# KiCad board edc-mux-board-fpga-main.kicad_pcb (continued)
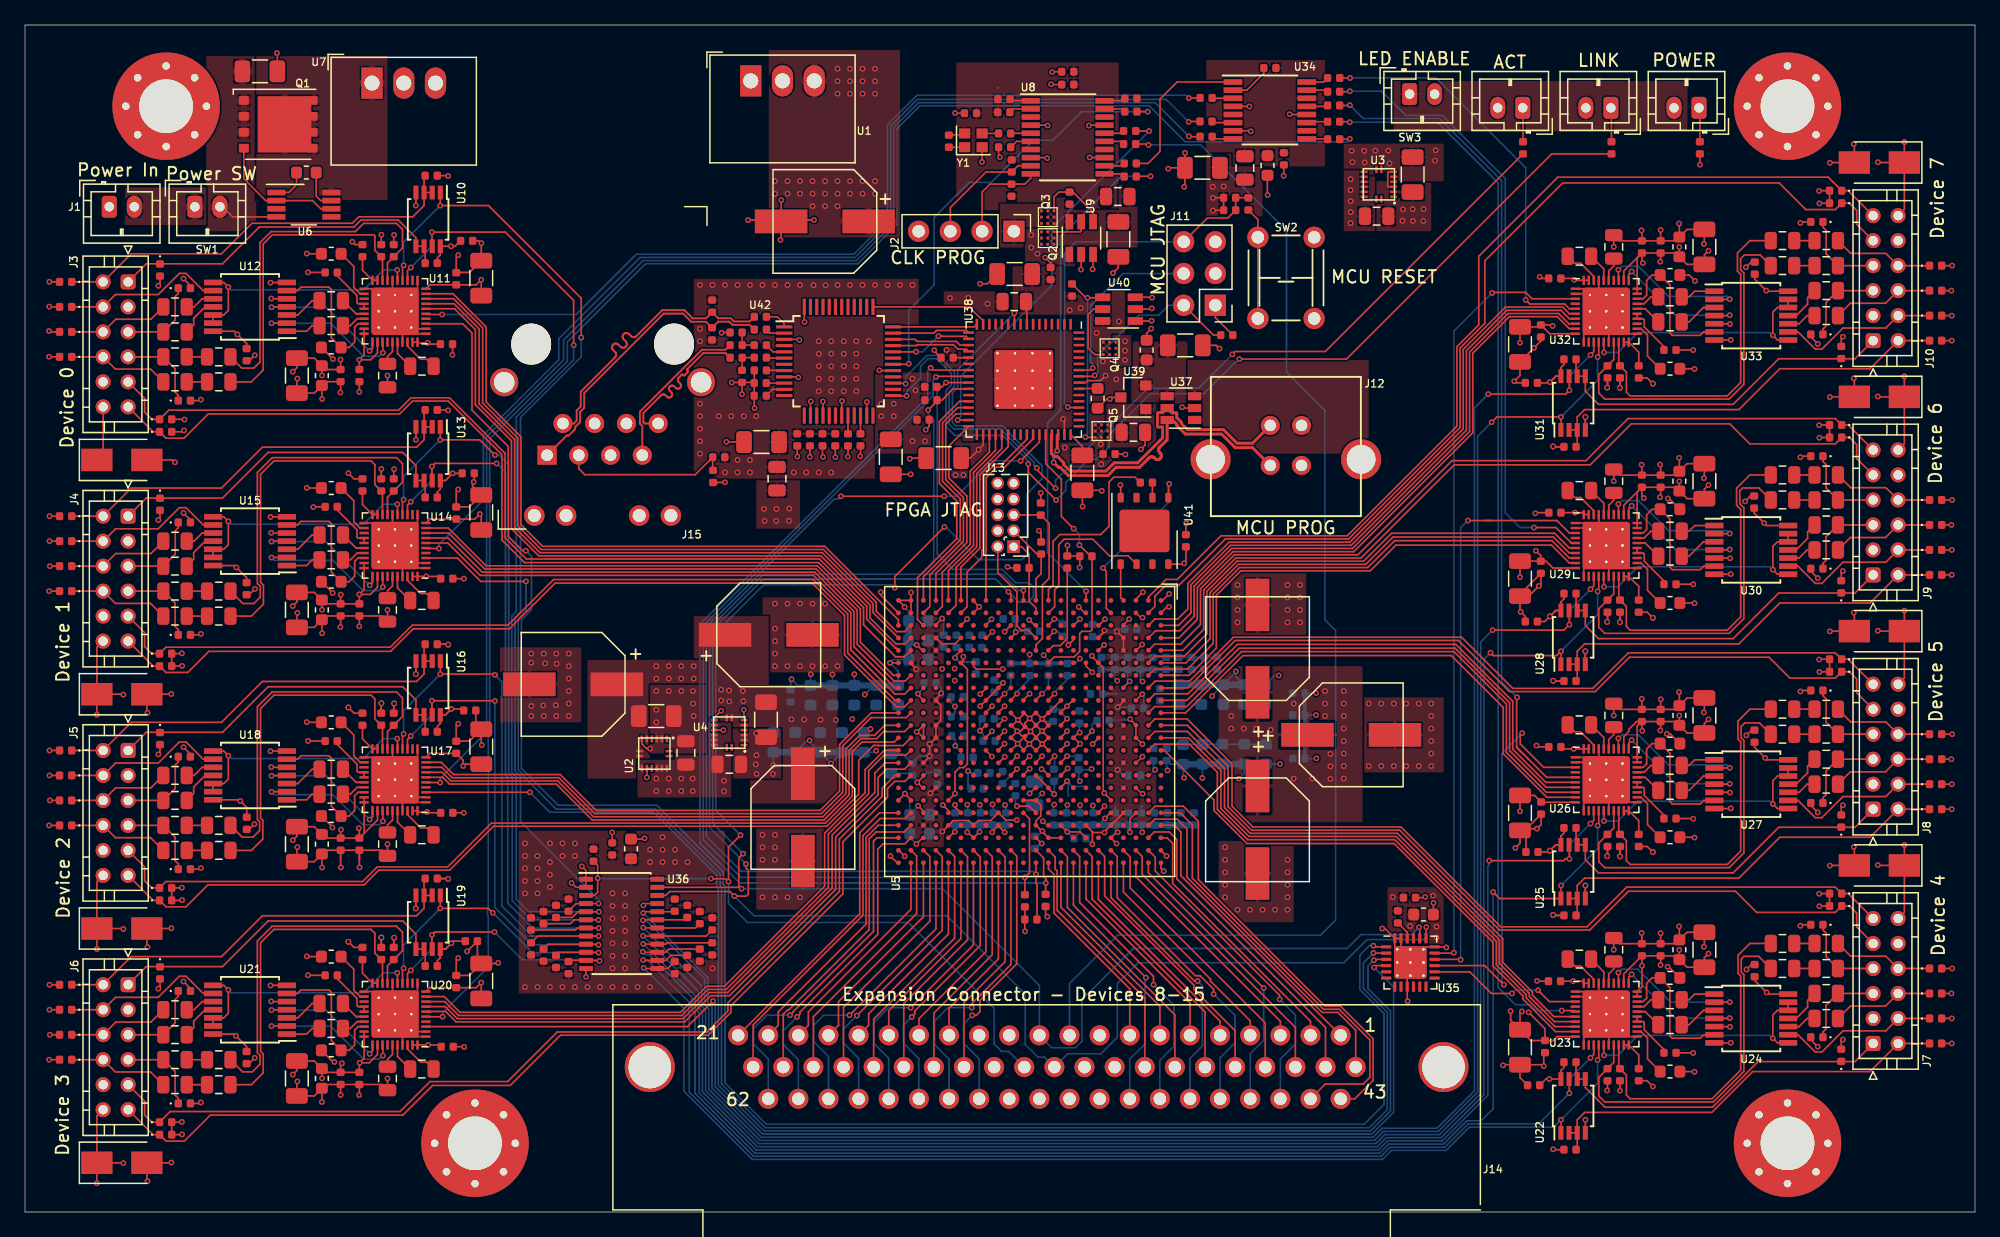
[diagram p0: board, top side]
## Nets (continued)
/FPGA Interconnects/DEV_ATT4: D46.1 J7.11 U5.B11
/FPGA Interconnects/DEV_ATT5: D56.1 J8.11 U5.B8
/FPGA Interconnects/DEV_ATT6: D66.1 J9.11 U5.B5
/FPGA Interconnects/DEV_ATT7: D76.1 J10.11 U5.B1
/FPGA Interconnects/DEV_ATT8: J14.56 U5.N22
/FPGA Interconnects/DEV_ATT9: J14.58 U5.T22
/FPGA Interconnects/DEV_ATT10: J14.60 U5.W22
/FPGA Interconnects/DEV_ATT11: J14.62 U5.AB20
/FPGA Interconnects/DEV_ATT12: J14.44 U5.A18
/FPGA Interconnects/DEV_ATT13: J14.46 U5.B22
/FPGA Interconnects/DEV_ATT14: J14.48 U5.E22
/FPGA Interconnects/DEV_ATT15: J14.50 U5.H22
/FPGA Interconnects/DEV_INT0: D9.1 J3.9 U5.AB5
/FPGA Interconnects/DEV_INT1: D19.1 J4.9 U5.AB9
/FPGA Interconnects/DEV_INT2: D29.1 J5.9 U5.AB12
/FPGA Interconnects/DEV_INT3: D39.1 J6.9 U5.AB15
/FPGA Interconnects/DEV_INT4: D49.1 J7.9 U5.A11
/FPGA Interconnects/DEV_INT5: D59.1 J8.9 U5.A8
/FPGA Interconnects/DEV_INT6: D69.1 J9.9 U5.A5
/FPGA Interconnects/DEV_INT7: D79.1 J10.9 U5.B2
/FPGA Interconnects/DEV_INT8: J14.55 U5.N21
/FPGA Interconnects/DEV_INT9: J14.57 U5.T21
/FPGA Interconnects/DEV_INT10: J14.59 U5.W21
/FPGA Interconnects/DEV_INT11: J14.61 U5.AA20
/FPGA Interconnects/DEV_INT12: J14.43 U5.B18
/FPGA Interconnects/DEV_INT13: J14.45 U5.B21
/FPGA Interconnects/DEV_INT14: J14.47 U5.E21
/FPGA Interconnects/DEV_INT15: J14.49 U5.H21
/FPGA Interconnects/MISO: R64.1 U5.K1
/FPGA Interconnects/MOSI: U5.D1 U41.5
/FPGA Interconnects/SCK: U5.K2 U41.6
/FPGA Interconnects/TCK: J13.1 R67.2 U5.L2
/FPGA Interconnects/TDI: J13.5 R71.1 U5.L5
/FPGA Interconnects/TDO: J13.2 U5.L4
/FPGA Interconnects/TMS: J13.3 R72.1 U5.L1
/FPGA Interconnects/~{CONFIG}: R66.1 U5.K5
/FPGA Interconnects/~{CS}: U5.E2 U41.1
/INIT_DONE: R70.1 U5.L22 U38.43
/Microprocessor and Support/DEV_INT0: U5.Y1 U38.29
/Microprocessor and Support/DEV_INT1: U5.Y2 U38.30
/Microprocessor and Support/DEV_INT2: U5.W1 U38.32
/Microprocessor and Support/DEV_INT3: U5.W2 U38.35
/Microprocessor and Support/DEV_INT4: U5.V1 U38.36
/Microprocessor and Support/DEV_INT5: U5.V2 U38.37
/Microprocessor and Support/DEV_INT6: U5.U1 U38.38
/Microprocessor and Support/DEV_INT7: U5.U2 U38.41
/Microprocessor and Support/MCU_VDDA: C285.2 C286.2 FB44.1 U38.8
/Microprocessor and Support/MCU_VDDCORE: C292.1 U38.55
/Microprocessor and Support/MCU_VDDIO: C289.1 C290.1 C291.1 C294.1 FB44.2 Q4.A2 Q4.A3 Q4.B1 Q4.B2 Q4.B3 Q5.A2 Q5.A3 Q5.B1 Q5.B2 Q5.B3 R63.2 U38.21 U38.34 U38.48 U38.56 U40.6
/Microprocessor and Support/SCK: U38.20 U42.33
/Microprocessor and Support/SWCLK: J11.2 R60.1 U38.57
/Microprocessor and Support/SWDIO: J11.4 U38.58
/Microprocessor and Support/USB_D+: J12.3 U37.6 U38.46
/Microprocessor and Support/USB_D-: J12.2 U37.5 U38.45
/Microprocessor and Support/~{RESET}: C293.1 J11.6 R61.1 R62.2 U38.52
/Power Supplies/PROT_PWR_IN: Q1.5 U6.8 U7.1
/Power Supplies/SW_PWR_IN: C107.1 Q1.1 Q1.2 Q1.3 SW1.2 U6.4
/Power Supplies/UNSW_PWR_IN: J1.2 SW1.1
/SCL: J14.32 R59.1 U5.M1 U35.19 U36.22 U38.26
/SDA: J14.11 R58.1 U5.N1 U35.20 U36.23 U38.25
/~{RESET}_FPGA: U5.Y3 U38.28
/~{STATUS}: R65.1 U5.K6 U38.44
CLK0_FPGA: R9.1 U5.G1
CLK1_CODEC: R10.1 U34.1
CLK2_CODEC: J14.10 R11.1
CLK3_MCU: R12.1 U38.31
CLK4_ETH: R13.1 U42.30
Net-(C112-Pad1): C112.1 U6.1
Net-(C112-Pad2): C112.2 U6.7
Net-(C121-Pad1): C121.1 FB4.2
Net-(C122-Pad2): C122.2 U11.19 U11.20
Net-(C123-Pad2): C123.2 U11.24 U11.25
Net-(C125-Pad1): C125.1 U11.36
Net-(C125-Pad2): C125.2 U11.38
Net-(C127-Pad2): C127.2 U11.26
Net-(C128-Pad2): C128.2 U11.27
Net-(C130-Pad2): C130.2 FB5.1
Net-(C141-Pad1): C141.1 FB9.2
Net-(C142-Pad2): C142.2 U14.19 U14.20
Net-(C143-Pad2): C143.2 U14.24 U14.25
Net-(C145-Pad1): C145.1 U14.36
Net-(C145-Pad2): C145.2 U14.38
Net-(C147-Pad2): C147.2 U14.26
Net-(C148-Pad2): C148.2 U14.27
Net-(C150-Pad2): C150.2 FB10.1
Net-(C161-Pad1): C161.1 FB14.2
Net-(C162-Pad2): C162.2 U17.19 U17.20
Net-(C163-Pad2): C163.2 U17.24 U17.25
Net-(C165-Pad1): C165.1 U17.36
Net-(C165-Pad2): C165.2 U17.38
Net-(C167-Pad2): C167.2 U17.26
Net-(C168-Pad2): C168.2 U17.27
Net-(C170-Pad2): C170.2 FB15.1
Net-(C181-Pad1): C181.1 FB19.2
Net-(C182-Pad2): C182.2 U20.19 U20.20
Net-(C183-Pad2): C183.2 U20.24 U20.25
Net-(C185-Pad1): C185.1 U20.36
Net-(C185-Pad2): C185.2 U20.38
Net-(C187-Pad2): C187.2 U20.26
Net-(C188-Pad2): C188.2 U20.27
Net-(C190-Pad2): C190.2 FB20.1
Net-(C201-Pad1): C201.1 FB24.2
Net-(C202-Pad2): C202.2 U23.19 U23.20
Net-(C203-Pad2): C203.2 U23.24 U23.25
Net-(C205-Pad1): C205.1 U23.36
Net-(C205-Pad2): C205.2 U23.38
Net-(C207-Pad2): C207.2 U23.26
Net-(C208-Pad2): C208.2 U23.27
Net-(C210-Pad2): C210.2 FB25.1
Net-(C221-Pad1): C221.1 FB29.2
Net-(C222-Pad2): C222.2 U26.19 U26.20
Net-(C223-Pad2): C223.2 U26.24 U26.25
Net-(C225-Pad1): C225.1 U26.36
Net-(C225-Pad2): C225.2 U26.38
Net-(C227-Pad2): C227.2 U26.26
Net-(C228-Pad2): C228.2 U26.27
Net-(C230-Pad2): C230.2 FB30.1
Net-(C241-Pad1): C241.1 FB34.2
Net-(C242-Pad2): C242.2 U29.19 U29.20
Net-(C243-Pad2): C243.2 U29.24 U29.25
Net-(C245-Pad1): C245.1 U29.36
Net-(C245-Pad2): C245.2 U29.38
Net-(C247-Pad2): C247.2 U29.26
Net-(C248-Pad2): C248.2 U29.27
Net-(C250-Pad2): C250.2 FB35.1
Net-(C261-Pad1): C261.1 FB39.2
Net-(C262-Pad2): C262.2 U32.19 U32.20
Net-(C263-Pad2): C263.2 U32.24 U32.25
Net-(C265-Pad1): C265.1 U32.36
Net-(C265-Pad2): C265.2 U32.38
Net-(C267-Pad2): C267.2 U32.26
Net-(C268-Pad2): C268.2 U32.27
Net-(C270-Pad2): C270.2 FB40.1
Net-(C304-Pad1): C304.1 U42.20
Net-(C307-Pad1): C307.1 U42.22
Net-(C308-Pad2): C308.2 R76.1 R80.2
Net-(C309-Pad2): C309.2 R77.1 R78.2
Net-(D2-Pad1): D2.1 FB3.1 J3.6
Net-(D3-Pad1): D3.1 FB4.1 J3.8
Net-(D7-Pad1): D7.1 FB5.2 J3.7
Net-(D8-Pad1): D8.1 FB6.2 J3.5
Net-(D12-Pad1): D12.1 FB8.1 J4.6
Net-(D13-Pad1): D13.1 FB9.1 J4.8
Net-(D17-Pad1): D17.1 FB10.2 J4.7
Net-(D18-Pad1): D18.1 FB11.2 J4.5
Net-(D22-Pad1): D22.1 FB13.1 J5.6
Net-(D23-Pad1): D23.1 FB14.1 J5.8
Net-(D27-Pad1): D27.1 FB15.2 J5.7
Net-(D28-Pad1): D28.1 FB16.2 J5.5
Net-(D32-Pad1): D32.1 FB18.1 J6.6
Net-(D33-Pad1): D33.1 FB19.1 J6.8
Net-(D37-Pad1): D37.1 FB20.2 J6.7
Net-(D38-Pad1): D38.1 FB21.2 J6.5
Net-(D42-Pad1): D42.1 FB23.1 J7.6
Net-(D43-Pad1): D43.1 FB24.1 J7.8
Net-(D47-Pad1): D47.1 FB25.2 J7.7
Net-(D48-Pad1): D48.1 FB26.2 J7.5
Net-(D52-Pad1): D52.1 FB28.1 J8.6
Net-(D53-Pad1): D53.1 FB29.1 J8.8
Net-(D57-Pad1): D57.1 FB30.2 J8.7
Net-(D58-Pad1): D58.1 FB31.2 J8.5
Net-(D62-Pad1): D62.1 FB33.1 J9.6
Net-(D63-Pad1): D63.1 FB34.1 J9.8
Net-(D67-Pad1): D67.1 FB35.2 J9.7
Net-(D68-Pad1): D68.1 FB36.2 J9.5
Net-(D72-Pad1): D72.1 FB38.1 J10.6
Net-(D73-Pad1): D73.1 FB39.1 J10.8
Net-(D77-Pad1): D77.1 FB40.2 J10.7
Net-(D78-Pad1): D78.1 FB41.2 J10.5
Net-(D81-Pad1): D81.1 R83.1
Net-(D82-Pad1): D82.1 R84.1
Net-(D83-Pad1): D83.1 R85.1
Net-(Q1-Pad4): Q1.4 U6.2 U6.6
Net-(Q2-PadA1): Q2.A1 U9.5
Net-(Q3-PadA1): Q3.A1 R8.1 U9.4
Net-(Q4-PadA1): Q4.A1 U40.5
Net-(Q5-PadA1): Q5.A1 R63.1 U40.4
Net-(R1-Pad2): R1.2 Y1.1
Net-(R2-Pad2): R2.2 Y1.3
Net-(R3-Pad1): R3.1 U8.6
Net-(R9-Pad2): R9.2 U8.11
Net-(R10-Pad2): R10.2 U8.12
Net-(R11-Pad2): R11.2 U8.15
Net-(R12-Pad2): R12.2 U8.16
Net-(R13-Pad2): R13.2 U8.19
Net-(R14-Pad2): R14.2 U8.20
Net-(R31-Pad1): R31.1 U34.2
Net-(R32-Pad1): R32.1 U35.22
Net-(R33-Pad2): R33.2 U34.3
Net-(R34-Pad2): R34.2 U34.16
Net-(R35-Pad2): R35.2 U34.13
Net-(R36-Pad2): R36.2 U34.15
Net-(R37-Pad2): R37.2 U34.6
Net-(R38-Pad2): R38.2 U34.11
Net-(R39-Pad2): R39.2 U34.8
Net-(R40-Pad2): R40.2 U34.9
Net-(R62-Pad1): R62.1 SW2.2
Net-(R64-Pad2): R64.2 U41.2
Net-(R73-Pad2): R73.2 U42.10
Net-(R74-Pad2): R74.2 U42.1
Net-(R75-Pad2): R75.2 U42.2
Net-(R76-Pad2): R76.2 U42.5
Net-(R77-Pad2): R77.2 U42.6

Pads without a net: J13 4 7; J15 9 10 11 12; R14 1; U2 1 4 15 16; U3 1 4 15 16; U4 1 4 15 16; U5 A14 A15 A16 A17 AA16 AB16 B14 B15 B16 B17 C3 C4 C6 C7 C8 C10 C13 C15 C17 C19 C20 D2 D6 D7 D10 D13 D15 D17 D19 D20 E1 E3 E4 E5 E6 E7 E9 E10 E11 E12 E13 E14 E15 E16 F1 F2 F7 F8 F9 F10 F11 F13 F14 F15 F16 F17 F19 F20 G3 G4 G5 G7 G8 G9 G10 G11 G13 G14 G15 G16 G17 G18 H1 H2 H5 H6 H7 H8 H10 H11 H14 H15 H16 H17 H18 H19 H20 J1 J2 J3 J4 J5 J6 J7 J8 J17 J18 K7 K8 K17 K18 K19 L6 L7 L8 M2 M3 M4 M5 M6 M7 M8 M16 M19 M20 M21 M22 N2 N5 N6 N7 N8 N16 N17 N18 N19 N20 P1 P2 P3 P4 P5 P6 P7 P15 P16 P17 P20 R2 R5 R6 R7 R14 R15 R16 R17 R18 R19 R20 T3 T4 T5 T7 T8 T9 T10 T11 T12 T13 T14 T15 T16 T17 T18 U7 U8 U9 U10 U11 U12 U13 U14 U15 U16 U17 U19 U20 V3 V4 V5 V6 V7 V8 V9 V10 V11 V12 V13 V14 V15 V16 W6 W7 W8 W10 W13 W14 W15 W17 W19 W20 Y4 Y6 Y7 Y8 Y10 Y13 Y17; U6 3 5; U11 4 12 23 34; U14 4 12 23 34; U17 4 12 23 34; U20 4 12 23 34; U23 4 12 23 34; U26 4 12 23 34; U29 4 12 23 34; U32 4 12 23 34; U35 5 6 7 8 10 11 12 13; U38 1 2 3 4 5 6 9 11 12 13 14 27 39 40 49 50 51 53 59 60 61 62 63 64; U41 3 7 9; U42 7 12 13 18 24 26 31 38 39 40 41 42 43 44 45 46 47

## Via types
v1: diameter 0.457, hole 0.254, Top to Bottom, 1174 vias

## Routing (per net, layer and track width the routed paths; a pad name or vN(x,y) marks a point on that pad's centre or on a via; arc(x,y) is an arc through that point)
+1V2: length 45.5
  Top w0.127: U5.P12 77.88,37.99 v1(78.37,38.48) ; v1(81.32,35.44) 81.38,35.44 U5.K15 ; v1(78.38,36.43) 77.9,35.95 U5.P14 ; v1(83.37,37.48) 82.88,36.99 U5.J13 ; U5.N14 78.88,35.99 v1(79.37,36.48) ; U5.L16 80.82,33.95 v1(80.37,33.5) ; v1(83.37,39.48) 82.88,38.99 U5.J11 ; v1(77.37,40.48) 76.88,39.99 U5.R10 ; v1(81.37,36.48) 80.88,35.99 U5.L14 ; U5.J14 82.88,35.99 v1(83.37,36.48) ; U5.J16 82.88,33.99 v1(83.37,34.48) ; U5.M9 79.88,40.99 v1(80.37,41.48) ; v1(80.37,35.48) 79.88,34.98 U5.M15 ; U5.G12 84.88,37.99 v1(85.37,38.48) ; U5.P11 77.88,38.99 v1(78.37,39.48) ; v1(76.42,41.45) 76.88,41.91 U5.R8 ; v1(78.37,40.48) 77.88,39.99 U5.P10 ; v1(82.37,36.48) 81.88,35.99 U5.K14 ; v1(77.35,38.47) 76.88,38 U5.R12 ; U5.L9 80.88,40.99 v1(81.37,41.48) ; U5.P9 77.88,40.99 v1(78.37,41.48) ; v1(82.37,41.48) 81.88,40.99 U5.K9 ; U5.N9 78.88,40.99 v1(79.37,41.48) ; U5.P13 77.88,36.99 v1(78.37,37.48) ; v1(83.37,38.48) 82.88,37.99 U5.J12 ; v1(80.37,36.48) 79.88,35.99 U5.M14 ; 83.88,40.99 U5.H9 83.84,40.95 v1(83.37,40.48) 82.88,39.99 U5.J10
  Bottom w0.127: 84.75,34.06 83.78,34.06 v1(83.37,34.48) 83.46,34.39 83.46,33.28 ; v1(81.37,41.48) 81.88,41.99 81.88,42.66 ; v1(83.37,40.48) 83.12,40.23 C7.1 82.61,40.23 v1(83.37,39.48) ; C24.1 84.18,36.48 v1(83.37,36.48) ; 77.36,39.48 v1(78.37,39.48) ; 91.16,37.41 91.16,37.41 C87.1 92.66,37.43 C91.1 94.21,37.44 C95.1 C89.1 C83.1 99.28,38.2 v1(99.67,38.59) ; 80.37,42.65 79.37,41.65 v1(79.37,41.48) ; v1(82.37,36.48) 82.37,35.5 C8.1 ; 83.4,42.63 82.37,41.6 v1(82.37,41.48) ; v1(85.37,38.48) 85.37,39.02 85.73,39.38 ; 78.85,42.64 78.85,41.97 v1(78.37,41.48) ; 75.48,39.54 75.36,39.66
  vias: v1(55.69,41.81) v1(55.69,40.93) v1(56.32,41.74) v1(56.34,40.86) v1(57.44,41.71) v1(57.47,40.88) v1(61.31,39.43) v1(62.34,39.42) v1(63.64,39.4) v1(64.86,39.38) v1(66.18,39.45) v1(67.64,38.66) v1(96.5,39.69) v1(96.5,38.69) v1(97.5,38.69) v1(98.5,38.69) v1(101.5,40.69) v1(101.5,34.69) v1(103,34.69) v1(104,41.69) v1(104,40.69) v1(104,39.69) v1(104.43,36.67) v1(104.43,35.66) v1(104.43,34.66) v1(105.5,41.69) v1(105.5,40.69) v1(105.5,39.69) v1(105.5,38.69) v1(105.5,37.69) v1(105.5,36.69) v1(105.5,35.69) v1(105.5,34.69)
+1V8: length 133.4
  Top w0.127: v1(130.82,76.06) 130.85,76.09 C269.2 ; U14.29 U14.30 27.12,49.81 v1(26.74,49.43) ; C255.2 C249.2 ; C255.2 128.97,57.63 U29.30 U29.29 ; C255.2 127.9,56.56 U29.32 ; C255.2 129.35,57.29 v1(129.5,57.14) ; C249.2 130.85,57.26 v1(130.8,57.21) ; C249.2 132.05,58 C251.2 ; U23.29 U23.30 129.36,18.03 v1(129.36,19.71) 129.35,19.72 C215.2 ; U29.39 U29.40 124.54,55.97 v1(124,55.97) C256.2 ; C269.2 C275.2 ; C269.2 132.05,76.75 C271.2 ; C275.2 129.35,76.03 v1(129.43,75.95) ; C275.2 127.9,75.31 127.9,74.56 ; C275.2 128.97,76.38 U32.30 U32.29 ; C251.2 132.35,58.48 132.36,58.49 ; C251.2 132.96,57.09 C252.2 134.35,57.85 v1(134.68,58.18) ; 23.74,10.69 23.75,10.7 C191.2 ; v1(21.42,48.5) 21.75,48.83 C152.2 23.14,49.59 C151.2 ; C231.2 132.05,39.25 C229.2 ; C231.2 132.96,38.34 C232.2 134.35,39.1 v1(134.68,39.43) ; C231.2 132.35,39.73 132.36,39.74 ; U20.29 U20.30 27.12,12.3 v1(26.77,11.94) ; C209.2 132.05,20.5 C211.2 ; C209.2 C215.2 ; C209.2 130.85,19.78 v1(130.84,19.77) ; v1(134.68,76.93) 134.35,76.6 C272.2 132.96,75.84 C271.2 ; 27.12,30.3 28.2,31.38 U17.32 ; 27.12,30.3 C175.2 ; 27.12,30.3 U17.30 U17.29 ; 132.36,77.24 132.35,77.23 C271.2 ; v1(25.24,68.22) 25.25,68.21 C129.2 24.05,67.42 C131.2 ; C215.2 127.9,19.06 U23.32 ; U11.32 28.2,68.75 27.66,68.21 v1(26.74,68.21) ; C189.2 24.05,11.17 C191.2 ; C189.2 25.25,11.8 v1(25.35,11.9) ; C189.2 C195.2 26.75,11.92 v1(26.77,11.94) ; U11.29 U11.30 27.12,68.59 v1(26.74,68.21) ; C236.2 123.03,37.06 v1(123.9,37.06) U26.40 U26.39 ; C229.2 C235.2 ; C229.2 130.85,38.56 v1(130.83,38.54) ; v1(25.26,49.41) 25.25,49.4 C149.2 ; C131.2 23.75,66.95 23.74,66.94 ; C131.2 23.14,68.34 C132.2 21.75,67.58 v1(21.42,67.25) ; v1(26.74,49.43) 26.75,49.42 C155.2 C149.2 ; v1(26.74,49.43) 27.63,49.43 28.2,50 28.2,50.86 ; C169.2 C175.2 ; C169.2 25.25,30.57 v1(25.28,30.6) ; C169.2 24.05,29.92 C171.2 23.14,30.84 C172.2 21.75,30.08 v1(21.42,29.75) ; 132.36,20.99 132.35,20.98 C211.2 ; C175.2 26.75,30.66 v1(26.7,30.71) ; v1(134.68,20.68) 134.35,20.35 C212.2 132.96,19.59 C211.2 ; 33.24,69.46 32.33,69.46 v1(32.23,69.56) 31.45,69.56 U11.40 U11.39 ; C235.2 128.93,39.25 128.32,38.64 128.32,38.48 127.9,38.06 U26.32 ; C235.2 129.35,38.54 v1(129.38,38.51) ; C235.2 128.97,38.88 128.97,36.28 ; v1(26.74,68.21) 26.75,68.2 C135.2 ; C149.2 24.05,48.67 C151.2 ; U26.29 128.97,36.28 ; 128.97,36.28 U26.30 ; 28.2,13.36 28.2,12.6 27.54,11.94 v1(26.77,11.94) ; 122.84,18.47 v1(123.86,18.48) 124.54,18.47 U23.40 U23.39 ; 23.74,48.19 23.75,48.2 C151.2 ; C191.2 23.14,12.09 C192.2 21.75,11.33 v1(21.42,11) ; 31,13.36 v1(32.25,13.36) 33.16,13.36 C196.2 ; 31,50.86 v1(32.09,50.86) 33.08,50.86 C156.2 ; U17.39 U17.40 31.5,32.01 v1(32.17,32.01) 32.23,31.95 C176.2 ; C276.2 123.82,74.72 v1(123.93,74.61) 123.97,74.56 125.1,74.56
  vias: v1(23.76,66.95) v1(23.76,48.2) v1(23.76,10.7) v1(106.13,84.93) v1(106.2,84.03) v1(107.14,84.93) v1(107.17,84) v1(108.03,84.94) v1(109.07,84.94) v1(109.16,83.92) v1(112.85,84.97) v1(112.79,84.15) v1(132.34,77.23) v1(132.34,58.48) v1(132.34,39.73) v1(132.34,20.98)
+2V5: length 23.5
  Top w0.127: v1(85.39,43.19) 84.88,43.7 U5.G6 ; R72.2 81.29,54.35 v1(81.11,54.53) ; U5.F18 85.88,31.99 v1(86.37,32.48) ; U5.U18 74.4,32.42 v1(74.4,32.58) ; 75.84,43.95 U5.T6 75.88,43.68 76.11,43.45 v1(78.22,43.45) ; v1(81.26,57.55) R71.2
  Bottom w0.127: v1(76.39,32.59) 76.44,32.53 C59.1 ; C66.1 95.33,44.39 C49.1 92.29,44.39 87.15,44.39 ; v1(74.4,32.58) 74.41,32.57 C64.1 ; v1(78.4,32.57) 78.48,32.49 C79.1 ; C46.1 87.22,32.39 87.33,32.5 ; v1(83.39,32.57) 83.32,32.5 C10.1 ; v1(84.41,32.56) 84.4,32.55 C19.1 ; v1(85.42,32.53) 85.47,32.48 C54.1 85.83,31.94 v1(86.37,32.48) 86.38,32.5 ; C40.1 89.32,32.43 89.4,32.51 ; v1(82.34,32.61) 82.28,32.55 C28.1 ; v1(77.4,32.62) 77.46,32.56 C33.1 ; v1(75.38,32.6) 75.43,32.55 C22.1
  vias: v1(50.5,43.69) v1(50.5,42.69) v1(51.5,43.69) v1(51.5,42.69) v1(52.5,43.69) v1(52.5,42.69) v1(53.5,43.69) v1(53.5,42.69) v1(73.37,43.46) v1(74.37,43.49) v1(74.38,42.53)
+3V3: length 150.6
  Top w0.127: U41.8 92.67,51.85 v1(92.73,51.91) 92.87,52.05 C296.2 ; 79.98,24.38 79.97,24.37 ; C157.2 17.73,50.77 v1(16.92,51.58) 16.76,51.74 U15.14 ; 85.39,30.44 85.46,30.37 v1(86.36,30.37) 86.36,30.43 U5.E19 U5.D18 ; 85.39,30.44 v1(85.39,29.43) ; 85.39,30.44 U5.G19 ; J11.1 95.23,71.58 R60.2 ; 72.37,36.44 v1(72.37,37.46) 72.86,37.95 U5.W12 U5.W11 73.26,39.33 73.26,40.57 U5.W9 72.88,41.08 v1(73.3,41.51) ; 72.37,36.44 U5.Y14 ; 72.37,36.44 v1(72.37,36.49) ; C194.1 v1(36.5,18.36) 36.09,17.95 C193.2 32.39,17.95 32.08,17.64 ; v1(79.34,31.37) 78.46,31.37 U5.P18 77.26,31.33 76.26,31.33 U5.T19 75.49,31.33 74.26,31.33 U5.V19 73.88,30.94 v1(73.39,30.45) ; v1(86.35,46.54) 86.35,46.42 U5.F4 ; C277.2 138.38,74.66 v1(139.29,73.75) 139.35,73.69 U33.14 ; C273.2 121.97,70.29 U32.10 ; C273.2 122.13,71 v1(122.21,70.92) ; C273.2 121.12,70.84 C274.1 v1(119.6,69.57) ; U5.AB21 69.9,28.95 v1(70.38,28.47) ; C174.1 35.2,35.84 v1(35.06,35.7) 35.06,36.14 C173.2 32.39,36.7 32.08,36.39 ; C257.2 138.33,55.94 v1(139.14,55.13) 139.33,54.94 U30.14 ; v1(119.75,16.05) 119.6,15.9 C214.1 ; v1(79.25,46.42) 79.25,46.33 U5.N4 ; U5.J20 U5.K20 81.39,30.44 v1(81.39,30.48) 81.34,30.48 U5.L19 80.88,31.31 81.26,31.69 81.26,32.57 U5.L17 U5.M17 ; U5.D9 87.88,40.86 v1(87.41,40.4) ; v1(120.87,52.92) 121.27,52.52 C253.2 121.69,52.08 122.24,51.54 U29.10 ; C214.1 118.85,15.34 v1(118.85,16.08) ; C214.1 120.47,13.72 C213.2 ; R68.2 79.99,23.42 ; v1(84.37,51.58) 84.38,51.59 R65.2 84.36,52.5 R66.2 83.38,53.33 v1(83.4,53.35) ; U27.14 139.37,36.19 v1(139.22,36.34) 138.36,37.2 C237.2 ; C154.1 36.5,55.75 v1(36.39,55.86) 35.98,55.45 C153.2 32.39,55.45 32.08,55.14 ; v1(77.4,46.44) 76.91,45.95 U5.R4 ; v1(119.6,32.07) C234.1 120.76,33.34 C233.2 121.31,32.79 U26.10 ; v1(120.29,15.98) 121.6,14.67 C213.2 ; U5.D5 U5.D4 87.37,46.46 v1(87.34,46.46) ; U18.14 17.13,32.99 v1(17.22,32.89) 17.74,32.38 C177.2 ; U23.10 122.59,14.04 122.28,13.72 C213.2 ; R70.2 79.99,22.47 ; U5.AB2 68.46,49.36 v1(68.46,49.6) ; v1(91.51,48.43) 91.35,48.43 U5.A2 ; 79.97,23.44 79.99,23.42 ; R69.2 81.65,23.78 v1(81.79,23.64) ; U5.W16 72.44,33.51 v1(72.43,33.51) ; v1(119.6,50.82) C254.1 121.04,52.09 ; v1(95.04,80.15) 95.07,80.18 C293.2 R61.2 95.06,81.18 v1(95.04,81.16) ; U40.1 90.11,71.31 v1(90.13,71.33) ; C134.1 v1(36.5,74.61) 36.09,74.2 C133.2 32.39,74.2 32.08,73.89 ; v1(82.34,46.47) 81.88,46 U5.K4 ; U24.14 139.46,17.44 v1(139.33,17.57) 138.37,18.53 C217.2 ; U21.14 16.73,14.24 v1(16.86,14.11) 17.73,13.24 C197.2 ; U5.A21 90.88,28.94 v1(91.32,28.49) ; U5.W4 73.34,45.48 74.41,45.48 U5.U4 ; C137.2 17.73,69.5 v1(17,70.23) 16.74,70.49 U12.14 ; U5.AA6 70.88,43.88 v1(71.31,43.44) ; v1(83.47,45.38) 83.88,45.78 U5.H4
  Bottom w0.127: 72.88,42.33 73.3,41.92 v1(73.3,41.51) ; v1(82.34,46.47) 82.6,46.47 C44.1 83.47,45.61 v1(83.47,45.38) ; v1(72.37,36.49) 71.53,36.49 C26.1 70.19,36.68 C47.1 ; C32.1 87.86,34.94 v1(87.41,35.39) ; v1(87.34,46.46) 87.55,46.67 C14.1 ; v1(87.41,40.4) 88.46,40.4 C11.1 ; C29.1 85.87,46.06 v1(86.35,46.54) ; v1(85.39,29.43) 84.91,29.91 84.88,29.91 ; 79.22,47.46 79.22,46.44 v1(79.25,46.42) 79.32,46.48 C35.1 ; C38.1 73,34.08 v1(72.43,33.51) ; C41.1 80.97,30.06 v1(81.39,30.48)
  vias: v1(40,29.5) v1(40,28.5) v1(40,27.5) v1(40,26.5) v1(40,25.5) v1(40,18) v1(41,28.5) v1(41,27.5) v1(41,26.5) v1(41,25.5) v1(41,18) v1(42,29.5) v1(42,28) v1(42,27) v1(42,26) v1(42,18) v1(43,29.5) v1(43,28.5) v1(43,18) v1(44,29.5) v1(44,28.5) v1(44,18) v1(45,18) v1(46,18) v1(47,25.5) v1(47,24.5) v1(47,23.5) v1(47,22.5) v1(47,21.5) v1(47,20.5) v1(47,19.5) v1(47,18) v1(48,25.5) v1(48,24.5) v1(48,23.5) v1(48,22.5) v1(48,21.5) v1(48,20.5) v1(48,19.5) v1(48,18) v1(49,18) v1(50,29) v1(50,28) v1(50,18) v1(50.5,34.69) v1(50.5,33.69) v1(51,30) v1(51,29) v1(51,28) v1(51.5,34.69) v1(51.5,33.69) v1(52,29) v1(52,28) v1(52.5,34.69) v1(52.5,33.69) v1(53,28) v1(53.41,34.69) v1(53.42,33.69) v1(55,19.5) v1(55.91,34.52) v1(55.92,33.67) v1(59.13,56.27) v1(59.17,55.32) v1(60,82.5) v1(60,81.5) v1(60.12,56.27) v1(60.1,55.32) v1(61,82.5) v1(61,81.5) v1(61.14,56.3) v1(61.12,55.32) v1(62,82.5) v1(62,81.5) v1(63,82.5) v1(63,81.5) v1(63,80.5) v1(64,82.5) v1(64,81.5) v1(64,80.5) v1(65,91.5) v1(65,90.5) v1(65,89.5) v1(65,82.5) v1(65,81.5) v1(65,80.5) v1(66,91.5) v1(66,90.5) v1(66,89.5) v1(66,82.5) v1(66,81.5) v1(67,91.5) v1(67,90.5) v1(67,89.5) v1(67,82.5) v1(67,81.5) v1(68,91.5) v1(68,90.5) v1(68,89.5) v1(68,82.5) v1(68,81.5) v1(68.5,64.69) v1(68.5,63.69) v1(69.5,64.69) v1(69.5,63.69) v1(70.99,66.7) v1(71,61.69) v1(71.24,65.76) v1(72,61.69) v1(80,22.46) v1(80.5,78.19) v1(80.5,77.19) v1(81,76.69) v1(88,69.69) v1(88,68.94) v1(88,68.19) v1(95.02,82.05) v1(95.89,82.08) v1(106.05,82.66) v1(106.05,81.78) v1(106.05,80.9) v1(106.05,80.02) v1(106.05,79.14) v1(109.42,25.21) v1(110.8,22.88) v1(112.64,25.32) v1(112.92,22.84) v1(112.92,21.97)
+12V: length 110.3
  Top w0.127: J9.12 150.35,61.49 D65.1 ; U16.8 33.64,39.79 ; U16.8 33.22,39.11 ; U16.8 33.22,39.11 ; U16.8 33.64,39.79 ; 33.64,39.79 v1(34.11,40.26) ; 33.64,39.79 v1(34.11,40.26) ; 122.28,42.49 v1(122.25,42.52) 122.28,42.49 ; 122.28,42.49 123.12,42.49 122.28,42.49 ; 122.28,23.74 123.12,23.74 122.28,23.74 ; 122.28,23.74 v1(122.25,23.77) 122.28,23.74 ; C259.1 121.93,66.36 v1(121.99,66.42) ; C139.1 v1(34.22,59.12) 33.64,58.54 U13.8 33.22,57.85 32.99,57.61 R17.1 ; v1(148.23,46.52) 148.26,46.49 D55.1 ; D75.1 148.26,83.99 v1(148.23,84.02) ; D75.1 v1(150.35,85.63) ; D75.1 150.35,80.24 J10.12 ; 33.22,39.11 33.22,39.1 32.99,38.86 R19.1 ; 122.46,66.89 v1(121.99,66.42) ; 122.46,66.89 U31.8 ; 122.46,66.89 v1(121.99,66.42) ; 122.46,66.89 U31.8 ; C199.1 121.66,10.64 v1(121.95,10.64) U22.8 122.88,11.33 123.12,11.57 123.12,11.99 ; 122.88,30.07 U25.8 ; 122.88,30.07 122.88,30.08 123.12,30.32 123.12,30.74 ; 122.88,30.07 U25.8 ; U25.8 122.46,29.39 ; U25.8 122.46,29.39 ; v1(7.87,22.66) 7.84,22.69 D25.1 ; v1(34.11,21.51) 34.28,21.68 C179.1 ; v1(34.11,21.51) 33.64,21.04 ; v1(34.11,21.51) 33.64,21.04 ; 122.28,61.24 v1(122.25,61.27) 122.28,61.24 ; 122.28,61.24 123.12,61.24 122.28,61.24 ; 122.88,48.82 122.88,48.83 123.12,49.07 123.12,49.49 ; 122.88,48.82 U28.8 ; 122.88,48.82 U28.8 ; R21.1 32.99,20.11 33.22,20.35 33.22,20.36 ; J5.12 5.75,26.44 D25.1 ; v1(34.11,40.26) 34.97,40.26 C159.1 ; D35.1 7.84,3.94 v1(7.87,3.91) ; D35.1 5.75,7.69 J6.12 ; D35.1 v1(5.75,2.3) ; U19.8 33.64,21.04 ; U19.8 33.22,20.36 ; U19.8 33.64,21.04 ; U19.8 33.22,20.36 ; 121.04,28.81 121.88,28.81 v1(121.99,28.92) ; v1(33.85,82.91) 33.82,82.94 R16.1 ; U28.8 122.46,48.14 ; U28.8 122.46,48.14 ; J7.12 150.35,23.99 D45.1 ; v1(33.85,64.16) 33.82,64.19 R18.1 ; C239.1 121.58,47.26 v1(121.99,47.67) ; J8.12 150.35,42.74 D55.1 ; D65.1 v1(150.35,66.88) ; D65.1 148.26,65.24 v1(148.23,65.27) ; 33.82,45.44 R20.1 33.82,45.44 ; 33.82,45.44 v1(33.85,45.41) 33.82,45.44 ; D25.1 v1(5.75,21.05) ; J4.12 5.75,45.19 D15.1 ; J3.12 6.25,60.69 D5.1 ; U31.8 122.88,67.57 ; U31.8 122.88,67.57 ; 122.46,29.39 v1(121.99,28.92) ; 122.46,29.39 v1(121.99,28.92) ; v1(7.87,41.41) 7.84,41.44 D15.1 ; v1(122.25,5.02) 122.28,4.99 123.12,4.99 ; v1(121.99,47.67) 122.46,48.14 ; v1(121.99,47.67) 122.46,48.14 ; R15.1 32.99,76.36 33.22,76.6 U10.8 v1(34.08,77.29) 34.41,77.29 C119.1 ; D45.1 148.26,27.74 v1(148.23,27.77) ; D45.1 v1(150.35,29.38) ; 33.82,26.69 v1(33.85,26.66) 33.82,26.69 ; 33.82,26.69 R22.1 33.82,26.69 ; D55.1 v1(150.35,48.13) ; D15.1 v1(5.75,39.8) ; 122.88,67.57 122.88,67.58 123.12,67.82 123.12,68.24
/Clocking/+3V3C: length 1.8
  Top w0.127: R1.1 73.93,86.2 75.41,86.2 ; 77.84,88.03 R5.1 77.53,88.02 ; 77.84,89.95 77.82,89.97
/CODEC interconnection sheet/Interface - Connector 0/GND_SENSE: length 12
  Top w0.127: U12.6 21.8,73.74 22.08,74.02 24.32,74.02 24.51,73.83 24.51,69.97 FB7.1 25.93,69.19 26.37,69.63 26.37,70.81 26.65,71.09 U11.28
/CODEC interconnection sheet/Interface - Connector 1/GND_SENSE: length 12
  Top w0.127: U15.6 21.8,54.99 22.08,55.27 24.32,55.27 24.51,55.08 24.51,51.22 FB12.1 25.93,50.44 26.37,50.88 26.37,52.06 26.65,52.34 U14.28
/CODEC interconnection sheet/Interface - Connector 2/GND_SENSE: length 12
  Top w0.127: U17.28 26.65,33.59 26.37,33.31 26.37,32.13 25.93,31.69 FB17.1 24.51,32.47 24.51,36.33 24.32,36.52 22.08,36.52 21.8,36.24 U18.6
/CODEC interconnection sheet/Interface - Connector 3/GND_SENSE: length 12
  Top w0.127: U20.28 26.65,14.84 26.37,14.56 26.37,13.38 25.93,12.94 FB22.1 24.51,13.72 24.51,17.58 24.32,17.77 22.08,17.77 21.8,17.49 U21.6
/CODEC interconnection sheet/Interface - Connector 4/GND_SENSE: length 12
  Top w0.127: U24.6 134.3,14.19 134.02,13.91 131.78,13.91 131.59,14.1 131.59,17.96 FB27.1 130.17,18.74 129.73,18.3 129.73,17.12 129.45,16.84 U23.28
/CODEC interconnection sheet/Interface - Connector 5/GND_SENSE: length 12
  Top w0.127: U26.28 129.45,35.59 129.73,35.87 129.73,37.05 130.17,37.49 FB32.1 131.59,36.71 131.59,32.85 131.78,32.66 134.02,32.66 134.3,32.94 U27.6
/CODEC interconnection sheet/Interface - Connector 6/GND_SENSE: length 12
  Top w0.127: U29.28 129.45,54.34 129.73,54.62 129.73,55.8 130.17,56.24 FB37.1 131.59,55.46 131.59,51.6 131.78,51.41 134.02,51.41 134.3,51.69 U30.6
/CODEC interconnection sheet/Interface - Connector 7/GND_SENSE: length 12
  Top w0.127: U32.28 129.45,73.09 129.73,73.37 129.73,74.55 130.17,74.99 FB42.1 131.59,74.21 131.59,70.35 131.78,70.16 134.02,70.16 134.3,70.44 U33.6
/Ethernet Connections/+3V3A: length 3.1
  Top w0.127: U42.11 59.81,65.84 C300.2 ; U42.8 60.72,67.36 C299.2
  vias: v1(54,74.19) v1(54,70.69) v1(54,69.69) v1(54,64.69) v1(54,63.69) v1(54,62.69) v1(54,61.69) v1(54,60.69) v1(55,74.19) v1(55.5,63.69) v1(56,74.19) v1(56,59.19) v1(56.5,63.69) v1(57,74.19) v1(57,60.19) v1(57,59.19) v1(57.5,63.69) v1(58,74.19) v1(58,60.19) v1(58,59.19) v1(58.5,63.69) v1(59,74.19) v1(60,74.19) v1(61,74.19) v1(61.5,59.19) v1(62,74.19) v1(62.5,59.19) v1(63.08,74.17) v1(63.5,69.69) v1(63.5,68.69) v1(63.5,67.69) v1(63.5,66.69) v1(63.5,65.69) v1(63.5,59.19) v1(64.05,74.17) v1(64.5,69.69) v1(64.5,68.69) v1(64.5,67.69) v1(64.5,66.69) v1(64.5,65.69) v1(64.5,59.19) v1(65,74.19) v1(65.5,69.69) v1(65.5,68.69) v1(65.5,67.69) v1(65.5,66.69) v1(65.5,65.69) v1(66,74.19) v1(66.5,69.69) v1(66.5,68.69) v1(66.5,67.69) v1(66.5,66.69) v1(66.5,65.69) v1(67,74.19) v1(67.5,69.69) v1(68,74.19) v1(69,74.19) v1(70,74.19) v1(71,74.19)
